# Altium PCB PCB_drone.PcbDoc (part 1 of 2)
Units mm, origin at the board's own origin, x right, y up, seen from the top; angles counter-clockwise.
Board outline 100 x 100 mm, 2 copper layers (Top Layer, Bottom Layer); 74 components, 53 nets, 290 pads, 74 vias.
Unrouted connection lines stored in the file: 2.
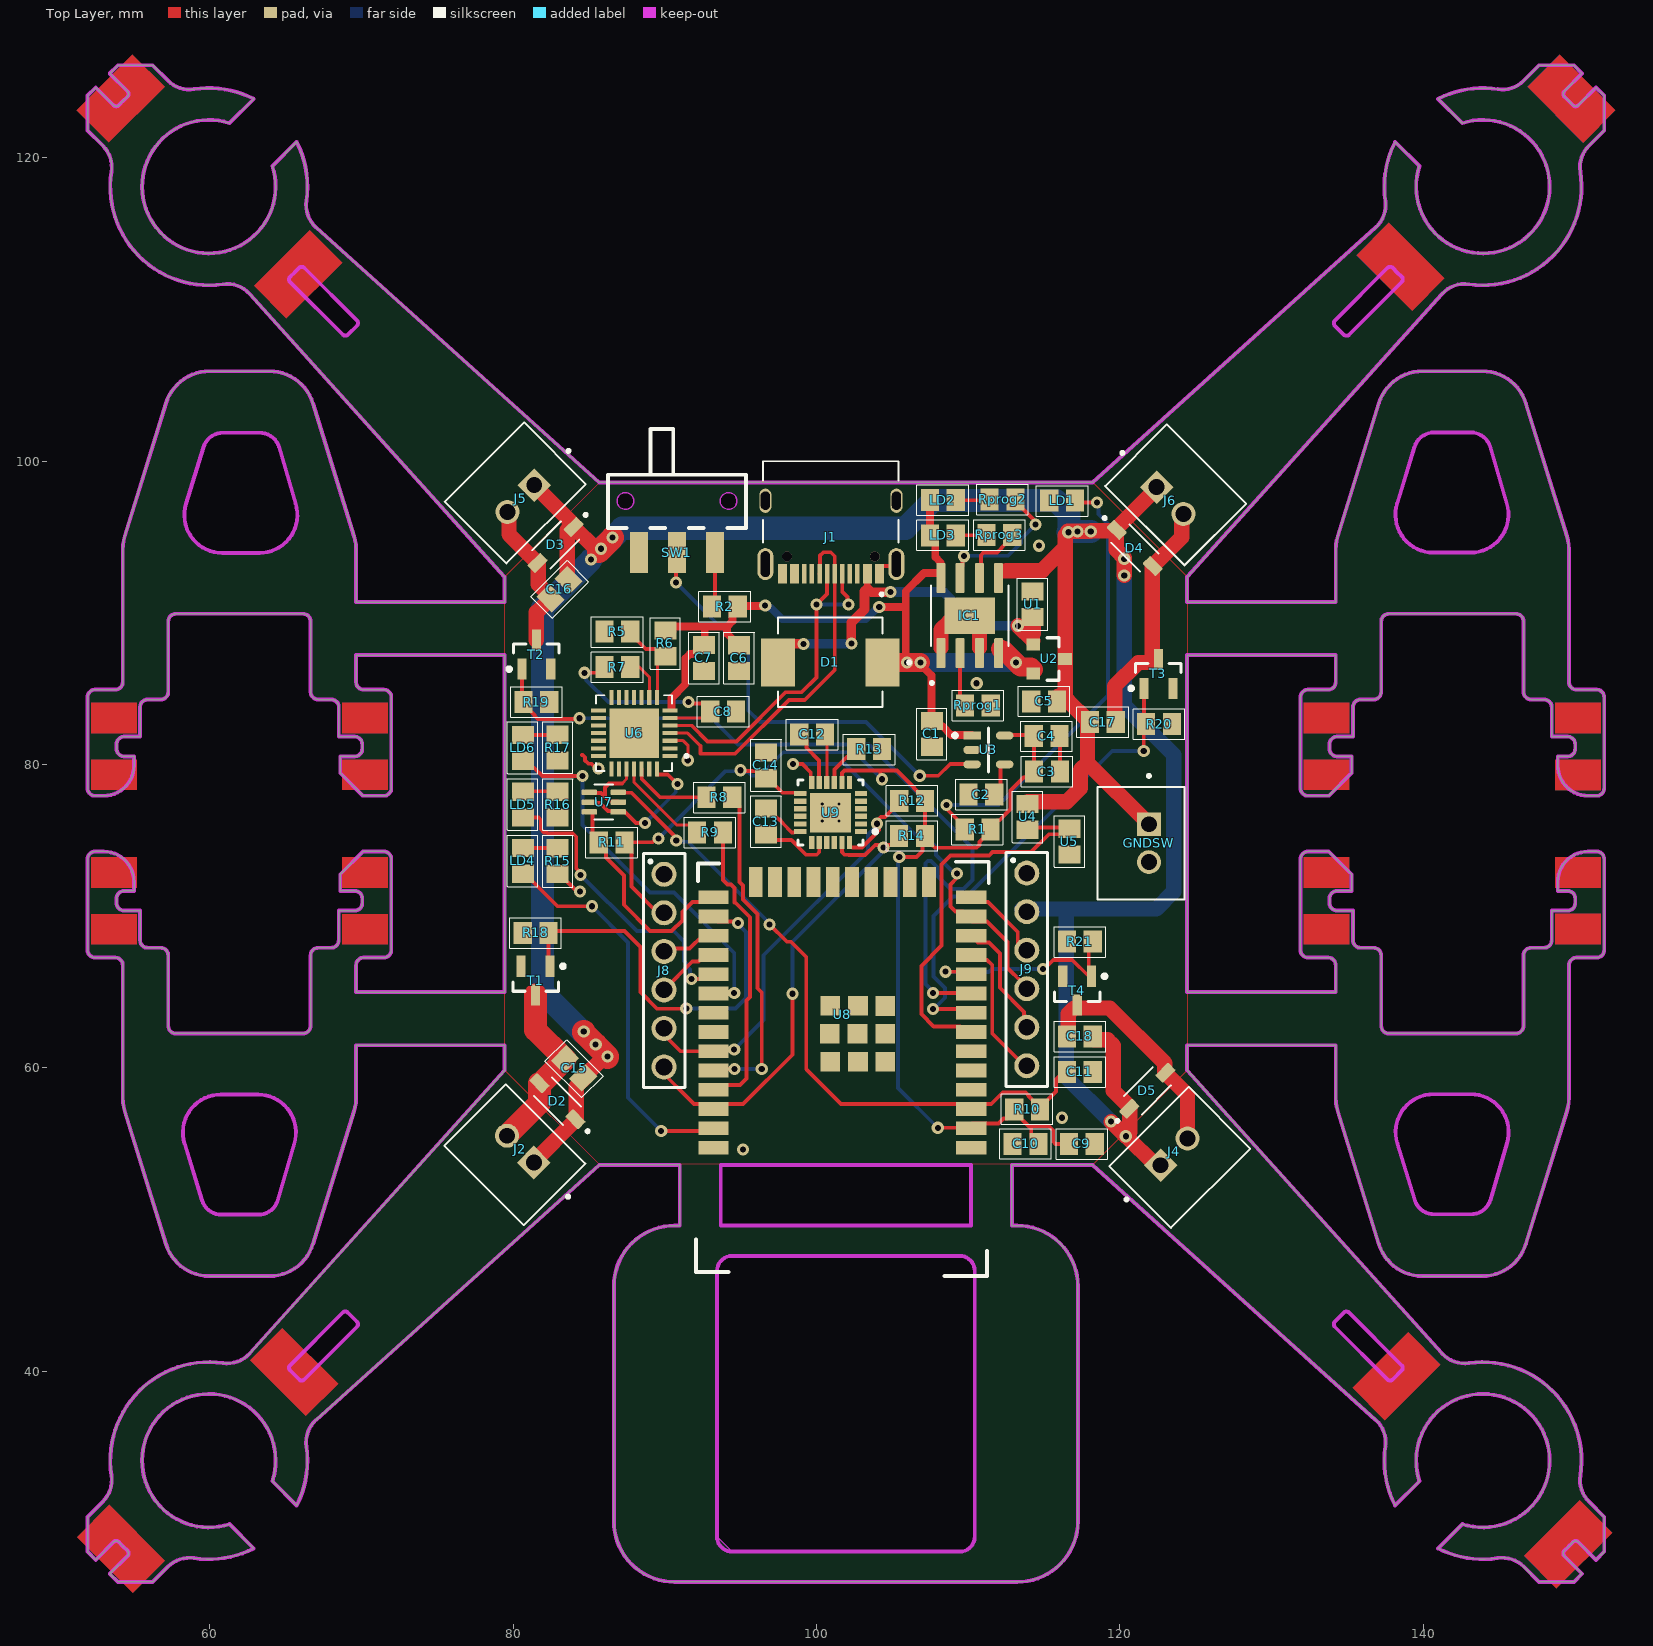
[diagram p0: Top Layer view]
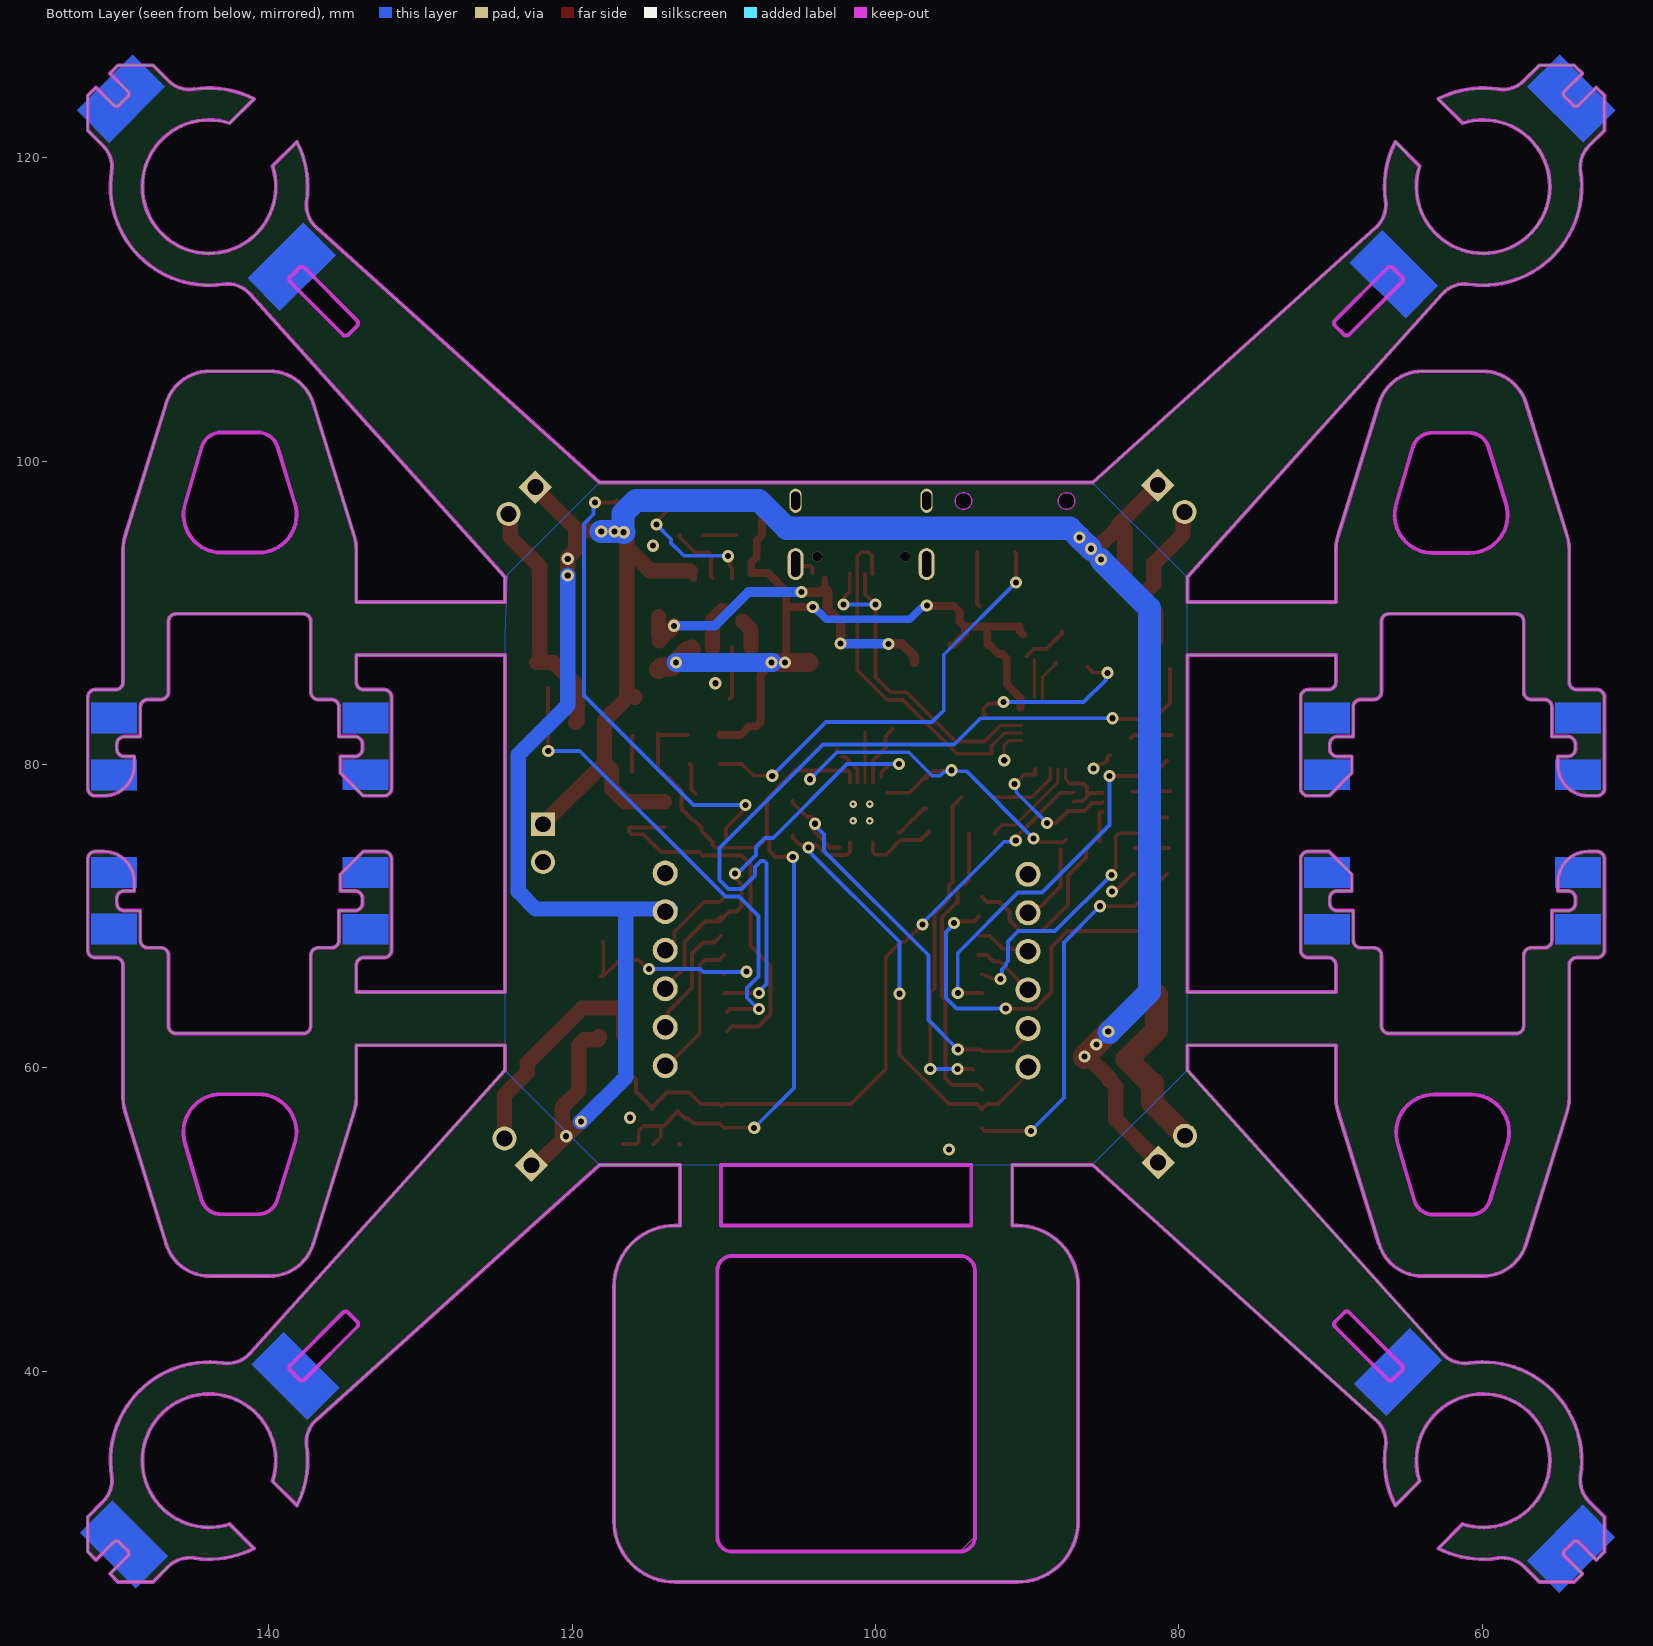
[diagram p1: Bottom Layer view, seen from below]

## Layer stack, top to bottom
Top Solder: solder mask 0.0102, Solder Resist, Dk 3.5
Top Layer: signal copper 0.0356
Dielectric 1: dielectric 0.32, FR-4, Dk 4.8
Bottom Layer: signal copper 0.0356
Bottom Solder: solder mask 0.0102, Solder Resist, Dk 3.5

## Board outline
366 vertices, not listed, extent 51.941,26.111 151.942,126.111
cut-out: 64.579,100.937 64.464,101.215 64.25,101.495 63.97,101.71 63.644,101.845 63.294,101.891 63.274,101.888 63.274,101.879 60.884,101.879 60.884,101.888 60.864,101.891 60.514,101.845 60.188,101.71 59.908,101.495 59.694,101.215 59.579,100.937 59.584,100.935 58.436,97.198 58.36,96.949 58.312,96.459 58.36,95.969 58.503,95.498 58.735,95.064 59.048,94.683 59.428,94.37 59.863,94.138 60.334,93.995 60.824,93.947 63.274,93.959 63.274,93.947 63.764,93.995 64.235,94.138 64.67,94.37 65.05,94.683 65.363,95.064 65.595,95.498 65.738,95.969 65.786,96.459 65.738,96.949 65.662,97.198 64.574,100.935
cut-out: 110.192,53.611 93.691,53.611 93.691,49.611 110.192,49.611 110.192,53.611
cut-out: 94.442,28.102 94.18,28.136 93.937,28.237 93.728,28.397 93.568,28.606 93.467,28.85 93.433,29.111 93.442,29.111 93.433,46.611 93.467,46.872 93.568,47.115 93.728,47.324 93.937,47.484 94.18,47.585 94.442,47.619 94.442,47.611 109.441,47.619 109.703,47.585 109.946,47.484 110.155,47.324 110.315,47.115 110.416,46.872 110.45,46.611 110.441,46.611 110.45,29.111 110.416,28.85 110.315,28.606 110.155,28.397 109.946,28.237 109.703,28.136 109.441,28.102 109.441,28.111 94.442,28.102 94.18,28.136 93.937,28.237 93.728,28.397 93.568,28.606 93.467,28.85 93.433,29.111 94.442,28.111
cut-out: 138.288,97.219 139.43,100.958 139.546,101.236 139.76,101.515 140.04,101.73 140.366,101.865 140.716,101.911 140.736,101.909 140.736,101.9 143.126,101.909 143.146,101.911 143.496,101.865 143.822,101.73 144.102,101.515 144.316,101.236 144.431,100.958 144.426,100.956 145.514,97.219 145.59,96.97 145.638,96.48 145.59,95.99 145.447,95.519 145.215,95.084 144.902,94.704 144.522,94.391 144.087,94.159 143.616,94.016 143.126,93.968 140.676,93.98 140.676,93.968 140.186,94.016 139.715,94.159 139.28,94.391 138.9,94.704 138.587,95.084 138.355,95.519 138.212,95.99 138.164,96.48 138.212,96.97 138.288,97.219
cut-out: 135.116,108.341 135.045,108.293 134.947,108.274 134.849,108.293 134.767,108.349 134.759,108.359 134.196,108.927 134.194,108.925 134.184,108.932 134.128,109.014 134.109,109.112 134.128,109.21 134.176,109.281 137.656,112.762 137.654,112.764 137.725,112.812 137.823,112.831 137.92,112.812 138.003,112.757 138.01,112.746 138.008,112.744 138.276,112.445 138.575,112.177 138.577,112.179 138.588,112.172 138.643,112.09 138.662,111.992 138.643,111.894 138.595,111.823 138.594,111.825 135.116,108.341 135.045,108.293 134.947,108.274 134.849,108.293 134.767,108.349 134.759,108.359 134.761,108.361
cut-out: 140.687,58.285 140.197,58.237 139.726,58.094 139.291,57.862 138.911,57.55 138.598,57.169 138.366,56.735 138.223,56.264 138.175,55.774 138.223,55.283 138.299,55.034 139.441,51.296 139.557,51.018 139.771,50.738 140.051,50.523 140.377,50.388 140.727,50.342 140.747,50.345 140.747,50.354 143.137,50.345 143.157,50.342 143.507,50.388 143.833,50.523 144.113,50.738 144.327,51.018 144.442,51.296 144.437,51.297 145.525,55.034 145.601,55.283 145.649,55.774 145.601,56.264 145.458,56.735 145.226,57.169 144.913,57.55 144.533,57.862 144.098,58.094 143.627,58.237 143.137,58.285 143.137,58.273 140.687,58.273
cut-out: 138.577,40.042 138.588,40.049 138.643,40.132 138.662,40.229 138.643,40.327 138.595,40.398 138.594,40.397 135.11,43.875 135.112,43.877 135.041,43.924 134.943,43.943 134.846,43.924 134.763,43.869 134.756,43.858 134.758,43.856 134.19,43.293 134.18,43.286 134.124,43.203 134.105,43.105 134.124,43.008 134.172,42.936 134.174,42.938 137.654,39.457 137.725,39.409 137.823,39.39 137.92,39.409 138.003,39.465 138.01,39.475 138.008,39.477 138.577,40.042 138.588,40.049 138.643,40.132 138.662,40.229 138.643,40.327 138.595,40.398 138.593,40.397
cut-out: 65.288,111.823 65.24,111.894 65.221,111.992 65.24,112.09 65.295,112.172 65.306,112.179 65.308,112.177 65.312,112.182 65.614,112.453 65.875,112.744 65.873,112.746 65.88,112.757 65.963,112.812 66.06,112.832 66.158,112.812 66.229,112.765 66.227,112.763 69.711,109.285 69.759,109.214 69.778,109.116 69.759,109.018 69.703,108.936 69.693,108.928 69.691,108.931 69.127,108.363 69.12,108.353 69.037,108.297 68.94,108.278 68.842,108.297 68.771,108.345 68.773,108.347 65.288,111.823 65.24,111.894 65.221,111.992 65.24,112.09 65.295,112.172 65.306,112.179 65.308,112.177
cut-out: 65.288,40.398 65.24,40.327 65.221,40.229 65.24,40.132 65.295,40.049 65.306,40.042 65.308,40.044 65.873,39.475 65.88,39.464 65.963,39.409 66.06,39.39 66.158,39.409 66.229,39.457 69.705,42.942 69.707,42.94 69.755,43.011 69.774,43.109 69.755,43.207 69.7,43.289 69.689,43.296 69.687,43.294 69.12,43.861 69.124,43.862 69.117,43.872 69.034,43.928 68.936,43.947 68.838,43.928 68.767,43.88 65.289,40.397
cut-out: 63.179,50.329 60.789,50.32 60.769,50.318 60.419,50.364 60.093,50.499 59.813,50.714 59.599,50.994 59.484,51.271 58.341,55.01 58.265,55.259 58.217,55.749 58.265,56.239 58.408,56.711 58.64,57.145 58.953,57.525 59.333,57.838 59.768,58.07 60.239,58.213 60.729,58.261 60.729,58.249 63.179,58.249 63.179,58.261 63.669,58.213 64.14,58.07 64.575,57.838 64.955,57.525 65.268,57.145 65.5,56.711 65.643,56.239 65.691,55.749 65.643,55.259 65.567,55.01 64.479,51.273 64.484,51.271 64.369,50.994 64.155,50.714 63.875,50.499 63.549,50.364 63.199,50.318 63.179,50.32 63.179,50.329

## Design rules (kind name [scope] priority, off if disabled: settings)
Clearance [All] p1: gap=0.254 ignorepadtopadclearanceinfootprint=FALSE
PolygonConnect [All] p1: connectstyle=Relief reliefconductorwidth=0.254 reliefentries=4 polygonreliefangle="90 Angle" airgapwidth=0.254
RoutingVias [All] p1: holewidth=0.4 width=0.8 viastyle="Through Hole" minholewidth=0.2 minwidth=0.4 maxholewidth=0.8 maxwidth=1.27
SolderMaskExpansion [All] p1: expansion=0.102 istentingtop=FALSE
SupplyNets "Schematic Supply Nets_4" [InNet('+BATT')] p1: voltage=0.000
SupplyNets "Schematic Supply Nets_3" [InNet('Vbus')] p2: voltage=0.000
SupplyNets "Schematic Supply Nets_2" [InNet('+3.3')] p3: voltage=0.000
SupplyNets "Schematic Supply Nets_1" [InNet('GND')] p4: voltage=0.000
SupplyNets "Schematic Supply Nets" [InNet('+5')] p5: voltage=0.000
Width [All] p1: maxlimit=1.524 minlimit=0.1 preferedwidth=0.254 minimp=50.000000 maximp=50.000000 favimp=50.000000
30 further rules are at their usual default settings.

## Classes and differential pairs
component class motor_drivers: C15 C16 C17 C18 D2 D3 D4 D5 J2 J4 J5 J6 LD4 LD5 LD6 R15 R16 R17 R18 R19 R20 R21 T1 T2 T3 T4
component class debug: C6 C7 C8 C9 C10 C11 C12 C13 C14 J8 R5 R6 R7 R8 R9 R10 R11 R12 R13 R14 U6 U7 U9
component class battery_regulator: C1 C2 C3 C4 C5 D1 GNDSW IC1 J1 LD1 LD2 LD3 R1 R2 Rprog1 Rprog2 Rprog3 SW1 U1 U2 U3 U4 U5

## Components (designator, comment, footprint, x,y, rotation, side; value= is the part's Value field where it differs from the comment)
C1 "10u" res0805ph 107.614,82.026 r270 top
C2 "470 pF" res0805ph 110.871,78.025 r180 top
C3 "2.2uF" res0805ph 115.2,79.548 r180 top
C4 "10uF" res0805ph 115.171,81.884 r0 top
C5 "10uF" res0805ph 115.012,84.17 r180 top
C6 "0.1 uF" res0805ph 94.894,87.02 r90 top
C7 "10 uF" res0805ph 92.583,87.032 r90 top
C8 "1 uF" res0805ph 93.853,83.49 r180 top
C9 "10 uF" res0805ph 117.5,54.991 r0 top
C10 "10 uF" res0805ph 113.786,54.992 r180 top
C11 "0.1 uF" res0805ph 117.37,59.741 r0 top
C12 "0.1 uF" res0805ph 99.72,81.991 r0 top
C13 "0.1 uF" res0805ph 96.672,76.251 r90 top
C14 "10 uF" res0805ph 96.672,79.959 r90 top
C15 "1uF" res0805ph 84.023,59.969 r315 top
C16 "1uF" res0805ph 83.058,91.567 r45 top
C17 "1uF" res0805ph 118.879,82.804 r180 top
C18 "1uF" res0805ph 117.37,62.077 r0 top
D1 "SS34" DIOM7959X265N 100.909,86.741 r180 top
D2 "APT1608ZGCK" SOD3715X135N 82.931,57.81 r135 top
D3 "APT1608ZGCK" SOD3715X135N 82.804,94.488 r225 top
D4 "APT1608ZGCK" SOD3715X135N 120.986,94.279 r315 top
D5 "APT1608ZGCK" SOD3715X135N 121.818,58.496 r45 top
GNDSW "TMM-102-02-L-S" JST_B2B-XH-A_(LF)(SN)#1 121.395,74.823 r90 top
IC1 "TP4056" SOP127P600X175-9N 110.109,89.83 r90 top
J1 "USBC" SHENZHEN-CHUANGQIN-TECHNOLOGY_CQ-USB-C16PSMT01 100.953,92.583 r180 top
J2 "TMM-102-02-L-S" JST_B2B-XH-A_(LF)(SN)#2 80.112,54.28 r315 top
J4 "TMM-102-02-L-S" JST_B2B-XH-A_(LF)(SN)#1 123.952,54.102 r225 top
J5 "TMM-102-02-L-S" JST_B2B-XH-A_(LF)(SN)#1 80.137,97.917 r45 top
J6 "TMM-102-02-L-S" JST_B2B-XH-A_(LF)(SN)#2 123.683,97.785 r135 top
J8 "SSW-106-02-T-S-RA" 61300611121 89.952,66.421 r270 top
J9 "SSW-106-02-T-S-RA" 61300611121 113.868,66.497 r270 top
LD1 "PWR_LED" res0805ph 116.205,97.409 r0 top
LD2 "APT1608ZGCK" res0805ph 108.331,97.434 r180 top
LD3 "APT1608ZGCK" res0805ph 108.331,95.123 r180 top
LD4 "APT1608ZGCK" res0805ph 80.646,73.66 r270 top
LD5 "APT1608ZGCK" res0805ph 80.645,77.368 r270 top
LD6 "APT1608ZGCK" res0805ph 80.646,81.114 r270 top
R1 "470" res0805ph 110.623,75.739 r0 top value=5.9KΩ
R2 "100K" res0805ph 93.955,90.424 r180 top value=5.9KΩ
R5 "47.5K" res0805ph 86.868,88.773 r0 top value=5.9KΩ
R6 "22.1K" res0805ph 90.043,87.999 r270 top value=5.9KΩ
R7 "10K" res0805ph 86.868,86.436 r180 top value=5.9KΩ
R8 "1K" res0805ph 93.599,77.851 r0 top value=5.9KΩ
R9 "1K" res0805ph 92.982,75.536 r0 top value=5.9KΩ
R10 "10K" res0805ph 113.89,57.278 r180 top value=5.9KΩ
R11 "10K" res0805ph 86.501,74.879 r0 top value=5.9KΩ
R12 "10K" res0805ph 106.305,77.611 r180 top value=5.9KΩ
R13 "4.7k" res0805ph 103.479,81.021 r0 top value=5.9KΩ
R14 "10K" res0805ph 106.299,75.3 r180 top value=5.9KΩ
R15 "1K" res0805ph 82.931,73.635 r90 top value=5.9KΩ
R16 "1K" res0805ph 82.931,77.368 r90 top value=5.9KΩ
R17 "1K" res0805ph 82.931,81.128 r90 top value=5.9KΩ
R18 "10K" res0805ph 81.483,68.91 r0 top value=5.9KΩ
R19 "10K" res0805ph 81.534,84.124 r180 top value=5.9KΩ
R20 "10K" res0805ph 122.587,82.677 r180 top value=5.9KΩ
R21 "10K" res0805ph 117.37,68.326 r0 top value=5.9KΩ
Rprog1 "3.3k" res0805ph 110.64,83.915 r0 top value=5.9KΩ
Rprog2 "1.3K" res0805ph 112.268,97.485 r0 top value=5.9KΩ
Rprog3 "1.3K" res0805ph 112.065,95.148 r0 top value=5.9KΩ
SW1 "K3-1280S-F1" SW-SMD_K3-1280S-K1 90.805,93.98 r90 top
T1 "AO3401" NXP-SOT23_N 81.483,65.761 r270 top
T2 "AO3401" NXP-SOT23_N 81.534,87.249 r90 top
T3 "AO3401" NXP-SOT23_N 122.547,85.979 r90 top
T4 "AO3401" NXP-SOT23_N 117.192,65.099 r270 top
U1 "100k" res0805ph 114.249,90.576 r270 top value=5.9KΩ
U2 "AO3401" SOT23-3 115.291,86.967 r180 top
U3 "MIC5219-3.3YM5" FP-SOT23-5LD-PL-1-IPC_C 111.337,80.97 r0 top
U4 "100K" res0805ph 113.919,76.552 r270 top value=5.9KΩ
U5 "100K" res0805ph 116.684,74.93 r270 top value=5.9KΩ
U6 "CP2102N-Axx-xQFN28" QFN50P500X500X80-29N 87.978,82.078 r180 top
U7 "DDC114TU-7-F" SOT65P210X110-6N 85.979,77.531 r0 top
U8 "ESP32-WROOM-32" ESP32-WROOM-32D 101.709,60.013 r180 top
U9 "MPU-6050" IS-QFN-24_V 100.933,76.843 r180 top

## Footprints (in the part's own frame and the unit in brackets; to place one, negate y for a bottom-side part, rotate by r counter-clockwise, add the part's x,y. Pads: shape width x height; smd on the part's side, far side on the other; paste and mask are expansions set on the pad)
61300611121 [mm]
  round 1.65 hole 1.1: 1(-6.35,0) 2(-3.81,0) 3(-1.27,0) 4(1.27,0) 5(3.81,0) 6(6.35,0)
  silkscreen extent -7.72,-1.37 7.72,1.37
DIOM7959X265N [mm]
  rect 2.25x3.18 smd paste+0 mask+0.102: A(3.455,0) C(-3.455,0)
  silkscreen extent -5.3,-2.95 3.44,2.95
ESP32-WROOM-32D [mm]
  rect 2x0.9 smd: 1(-8.5,5.26) 1(-8.5,5.26) 2(-8.5,3.99) 3(-8.5,2.72) 4(-8.5,1.45) 5(-8.5,0.18) 6(-8.5,-1.09) 7(-8.5,-2.36) 8(-8.5,-3.63) 9(-8.5,-4.9) 10(-8.5,-6.17) 11(-8.5,-7.44) 12(-8.5,-8.71) 13(-8.5,-9.98) 14(-8.5,-11.25) 25(8.5,-11.25) 25(8.5,-11.25) 26(8.5,-9.98) 27(8.5,-8.71) 28(8.5,-7.44) 29(8.5,-6.17) 30(8.5,-4.9) 31(8.5,-3.63) 32(8.5,-2.36) 33(8.5,-1.09) 34(8.5,0.18) 35(8.5,1.45) 36(8.5,2.72) 37(8.5,3.99) 38(8.5,5.26)
  rect 0.9x2 smd: 15(-5.715,-12.25) 15(-5.715,-12.25) 16(-4.445,-12.25) 17(-3.175,-12.25) 18(-1.905,-12.25) 19(-0.635,-12.25) 20(0.635,-12.25) 21(1.905,-12.25) 22(3.175,-12.25) 23(4.445,-12.25) 24(5.715,-12.25)
  rect 1.3x1.3 smd: 39(-2.835,-0.405) 39(-2.835,-4.075) 39(-2.835,-2.24) 39(-1.03,-0.397) 39(-1.03,-4.083) 39(-1,-2.24) 39(0.805,-0.397) 39(0.805,-4.083) 39(0.835,-2.24)
  silkscreen extent -9.65,-13.59 9.65,13.72, body extent -8.95,-12.7 8.95,12.7, height 2.61
FP-SOT23-5LD-PL-1-IPC_C [mm]
  rect 1.156x0.53 smd paste+0 mask+0: 1(-1.075,0.95)
  rrect100% 1.156x0.53 smd paste+0 mask+0: 3(-1.075,-0.95) 4(1.075,-0.95) 5(1.075,0.95) ""(-1.075,0)
  silkscreen extent -2.33,-1.45 0,1.45, body extent -1.75,-1.55 1.75,1.55, height 0.25
IS-QFN-24_V [mm] "QFN, 24-Leads, Body 4x4mm, Pitch 0.5mm, Thermal Pad 2.7x2.6mm"
  rect 0.8x0.35 smd: 1(-2,1.25) 2(-2,0.75) 3(-2,0.25) 4(-2,-0.25) 5(-2,-0.75) 6(-2,-1.25) 13(2,-1.25) 14(2,-0.75) 15(2,-0.25) 16(2,0.25) 17(2,0.75) 18(2,1.25)
  rect 0.35x0.85 smd mask+0.102: 7(-1.25,-1.975) 8(-0.75,-1.975) 9(-0.25,-1.975) 10(0.25,-1.975) 11(0.75,-1.975) 12(1.25,-1.975) 19(1.25,1.975) 20(0.75,1.975) 21(0.25,1.975) 22(-0.25,1.975) 23(-0.75,1.975) 24(-1.25,1.975)
  rect 2.7x2.6 smd: 25(0,0)
  silkscreen extent -3.08,-2.15 2.15,2.15, body extent -2,-2 2,2, height 0.95
JST_B2B-XH-A_(LF)(SN)#1 [mm]
  rect 1.575x1.575 / inner round 1.575 / far side rect 1.575x1.575 hole 1.05: 1(1.25,-0.525)
  round 1.575 hole 1.05: 2(-1.25,-0.525)
  silkscreen extent -3.7,-2.88 4.54,2.87, body extent -3.7,-2.88 3.7,2.88, height 7
JST_B2B-XH-A_(LF)(SN)#2 [mm]
  rect 1.575x1.575 / inner round 1.575 / far side rect 1.575x1.575 hole 1.05: 1(1.25,0.525)
  round 1.575 hole 1.05: 2(-1.25,0.525)
  silkscreen extent -3.7,-2.88 4.54,2.88, body extent -3.7,-2.88 3.7,2.88, height 3.4
NXP-SOT23_N [mm] "SOT23, 3-Leads, Body 3x1.4mm, Pitch 0.95mm, IPC Medium Density"
  rect 1.4x0.6 smd: 1(-0.95,0.95) 2(-0.95,-0.95) 3(0.95,0)
  silkscreen extent -1.07,-1.5 0.7,1.93, body extent -0.7,-1.5 0.7,1.5, height 1.1
QFN50P500X500X80-29N [mm]
  rect 0.99x0.27 smd paste+0 mask+0.102: 1(-2.36,1.5) 2(-2.36,1) 3(-2.36,0.5) 4(-2.36,0) 5(-2.36,-0.5) 6(-2.36,-1) 7(-2.36,-1.5) 15(2.36,-1.5) 16(2.36,-1) 17(2.36,-0.5) 18(2.36,0) 19(2.36,0.5) 20(2.36,1) 21(2.36,1.5)
  rect 0.27x0.99 smd paste+0 mask+0.102: 8(-1.5,-2.36) 9(-1,-2.36) 10(-0.5,-2.36) 11(0,-2.36) 12(0.5,-2.36) 13(1,-2.36) 14(1.5,-2.36) 22(1.5,2.36) 23(1,2.36) 24(0.5,2.36) 25(0,2.36) 26(-0.5,2.36) 27(-1,2.36) 28(-1.5,2.36)